# Altium PCB STM32F207VC.PcbDoc (part 11 of 16)
Units mm, origin at the board's own origin, x right, y up, seen from the top; angles counter-clockwise.
Board outline 99.19 x 99.95 mm, 2 copper layers (Top Layer, Bottom Layer); 127 components, 125 nets, 570 pads, 172 vias.
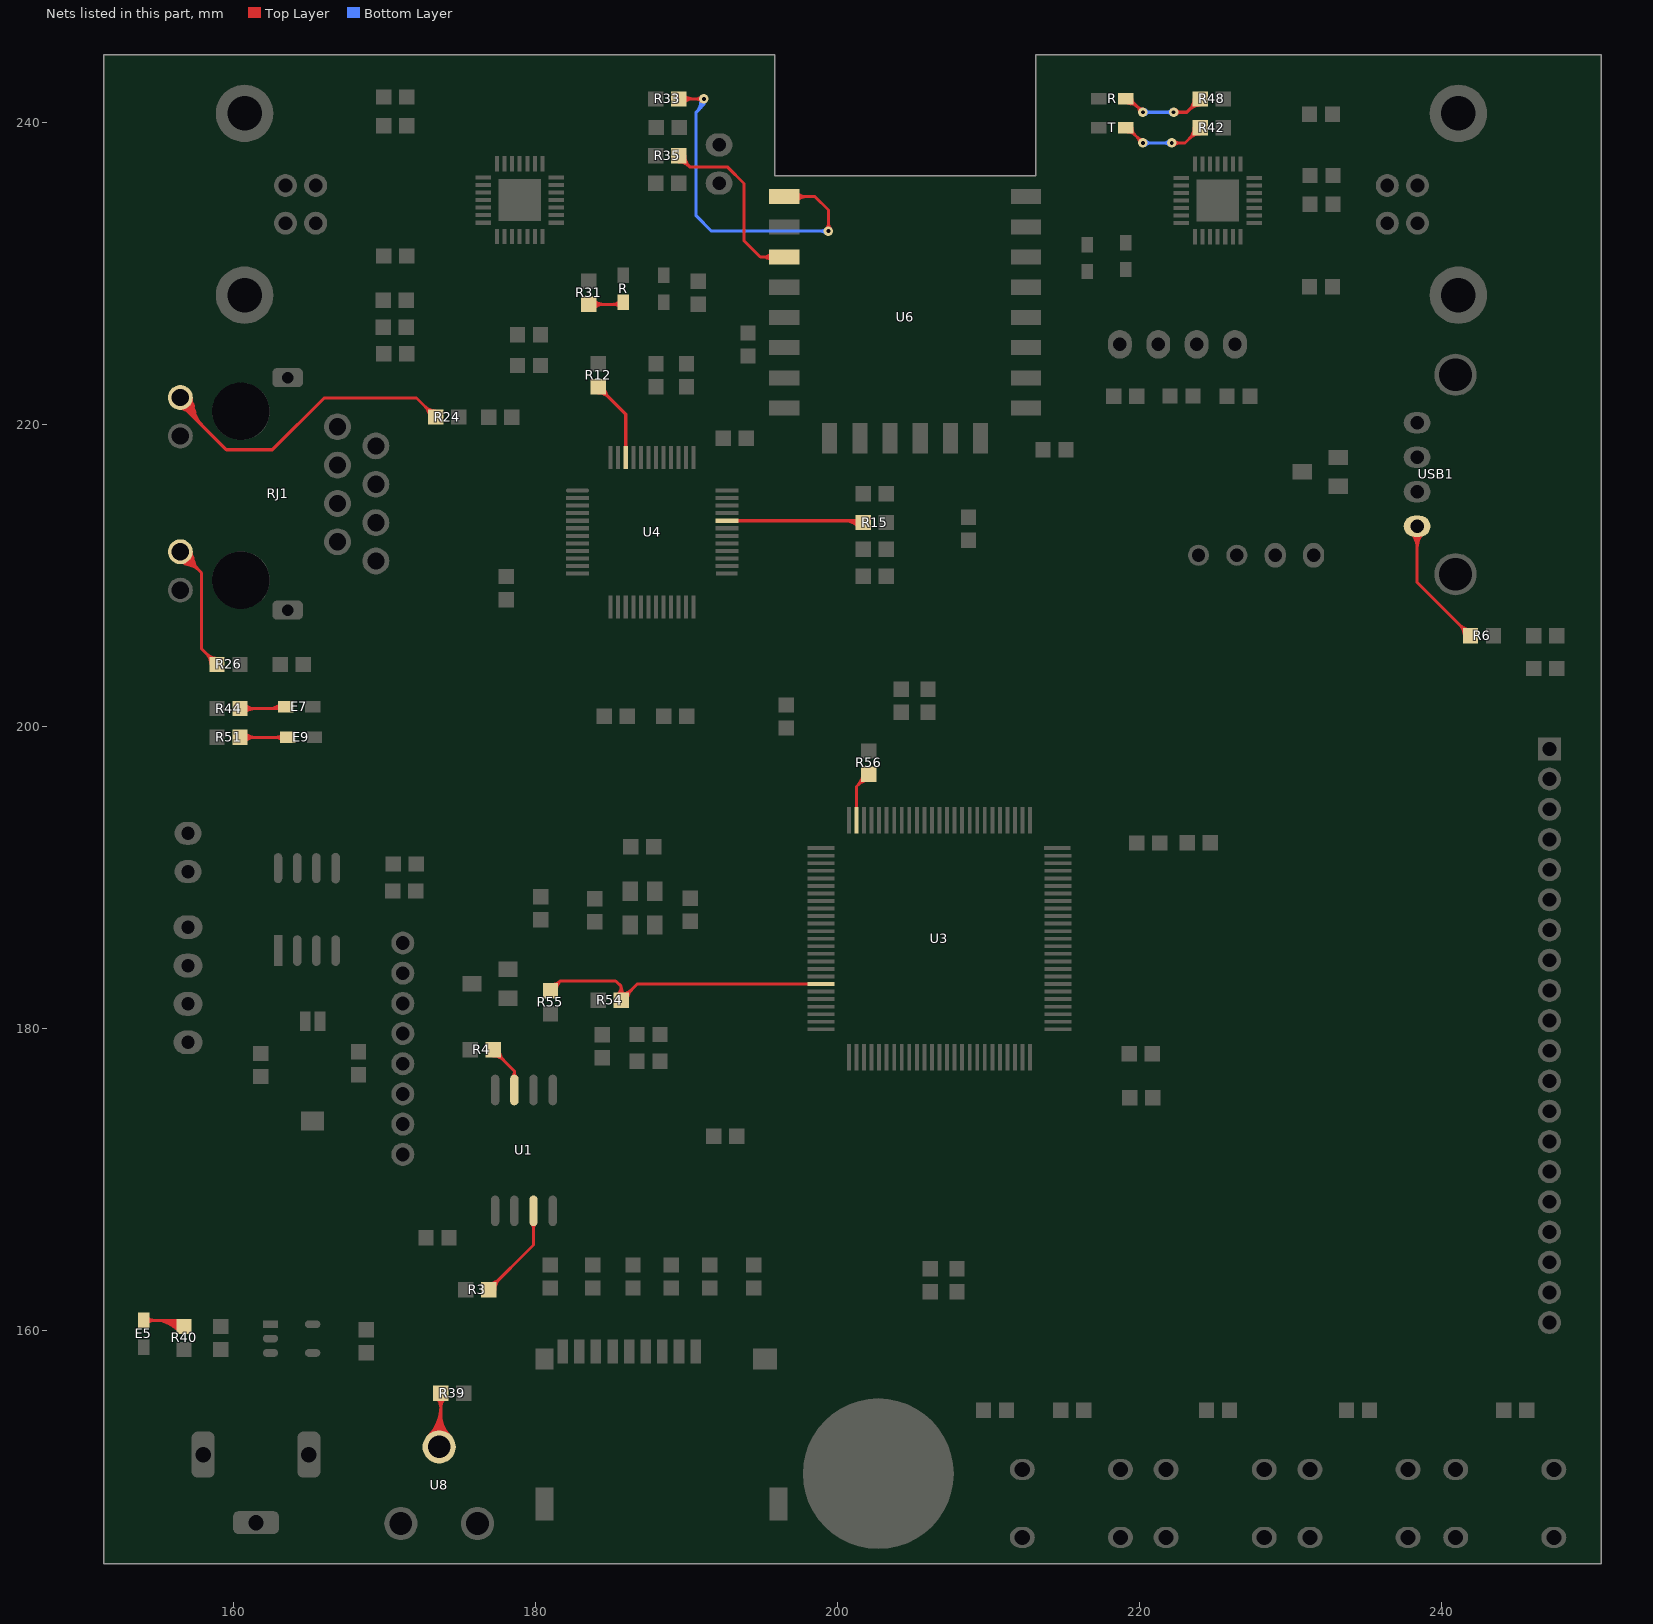
[diagram p11: the nets of this part, all layers, seen from the top]

## Via types
v1: diameter 0.635, hole 0.254, Top Layer to Bottom Layer, tented both sides, 152 vias
v2: diameter 0.635, hole 0.406, Top Layer to Bottom Layer, 18 vias
v3: diameter 1, hole 1, Top Layer to Bottom Layer, 2 vias

## Nets (pads, with @x,y where several pads share a name; then routed paths per layer and width w, separated by ;. In a path a pad name is that pad's centre, name@x,y a point inside that pad or via, vN(x,y) a via of type N, cw(c..) or ccw(c..) an arc to the next point about the centre after c; other vN are vias at no path point) (continued)
NetE4_1: R31.1 R.1@185.801,228.092 | length 12.5
  Top Layer w0.203: R31.1@183.521,227.94 R.1@185.649,227.94 ; R31.1@183.808,227.652 cw(c184.502,226.958) 184.502,227.94 ; R31.1@183.808,227.652 cw(c184.502,226.958) 184.502,227.94 ; R31.1@183.808,227.652 cw(c184.502,226.958) 184.502,227.94 ; R31.1@183.808,227.652 cw(c184.502,226.958) 184.502,227.94 ; R31.1@183.808,228.227 ccw(c184.502,228.921) 184.502,227.94 ; R31.1@183.808,228.227 ccw(c184.502,228.921) 184.502,227.94 ; R31.1@183.808,228.227 ccw(c184.502,228.921) 184.502,227.94 ; R31.1@183.808,228.227 ccw(c184.502,228.921) 184.502,227.94 ; 185.065,227.94 ccw(c185.065,228.701) R.1@185.603,228.163 ; 185.065,227.94 ccw(c185.065,228.701) R.1@185.603,228.163 ; 185.065,227.94 ccw(c185.065,228.701) R.1@185.603,228.163 ; 185.065,227.94 ccw(c185.065,228.701) R.1@185.603,228.163 ; 185.188,227.94 cw(c185.188,227.352) R.1@185.603,227.767 ; 185.188,227.94 cw(c185.188,227.352) R.1@185.603,227.767 ; 185.188,227.94 cw(c185.188,227.352) R.1@185.603,227.767 ; 185.188,227.94 cw(c185.188,227.352) R.1@185.603,227.767
NetE5_1: E5.1 R40.1 | length 51.2
  Top Layer w0.203: E5.1@154.051,160.655 156.306,160.655 R40.1@156.712,160.249 ; E5.1@154.249,160.457 cw(c154.726,159.98) 154.726,160.655 ; E5.1@154.249,160.457 cw(c154.726,159.98) 154.726,160.655 ; E5.1@154.249,160.457 cw(c154.726,159.98) 154.726,160.655 ; E5.1@154.249,160.457 cw(c154.726,159.98) 154.726,160.655 ; E5.1@154.249,160.853 ccw(c154.726,161.33) 154.726,160.655 ; E5.1@154.249,160.853 ccw(c154.726,161.33) 154.726,160.655 ; E5.1@154.249,160.853 ccw(c154.726,161.33) 154.726,160.655 ; E5.1@154.249,160.853 ccw(c154.726,161.33) 154.726,160.655 ; 154.75,160.655 cw(c154.75,158.286) R40.1@156.425,159.961 ; 154.75,160.655 cw(c154.75,158.286) R40.1@156.425,159.961 ; 154.75,160.655 cw(c154.75,158.286) R40.1@156.425,159.961 ; 154.75,160.655 cw(c154.75,158.286) R40.1@156.425,159.961 ; 155.24,160.655 cw(c155.24,158.777) R40.1@156.568,160.105 ; 155.24,160.655 cw(c155.24,158.777) R40.1@156.568,160.105 ; 155.24,160.655 cw(c155.24,158.777) R40.1@156.568,160.105 ; 155.24,160.655 cw(c155.24,158.777) R40.1@156.568,160.105 ; 155.731,160.655 cw(c155.731,159.267) R40.1@156.712,160.249 ; 155.731,160.655 cw(c155.731,159.267) R40.1@156.712,160.249 ; 155.731,160.655 cw(c155.731,159.267) R40.1@156.712,160.249 ; 155.731,160.655 cw(c155.731,159.267) R40.1@156.712,160.249 ; 155.809,160.377 ccw(c156.04,160.72) R40.1@156.379,160.482 ; 155.809,160.377 ccw(c156.04,160.72) R40.1@156.379,160.482 ; 155.809,160.377 ccw(c156.04,160.72) R40.1@156.379,160.482 ; 155.809,160.377 ccw(c156.04,160.72) R40.1@156.379,160.482 ; 155.809,160.377 ccw(c156.04,160.72) R40.1@156.379,160.482 ; 155.825,160.534 ccw(c156.117,161.04) R40.1@156.468,160.573 ; 155.825,160.534 ccw(c156.117,161.04) R40.1@156.468,160.573 ; 155.825,160.534 ccw(c156.117,161.04) R40.1@156.468,160.573 ; 155.825,160.534 ccw(c156.117,161.04) R40.1@156.468,160.573 ; 155.825,160.534 ccw(c156.117,161.04) R40.1@156.468,160.573 ; 155.825,160.534 ccw(c156.117,161.04) R40.1@156.468,160.573 ; 155.981,160.261 ccw(c156.21,160.601) R40.1@156.546,160.365 ; 155.981,160.261 ccw(c156.21,160.601) R40.1@156.546,160.365 ; 155.981,160.261 ccw(c156.21,160.601) R40.1@156.546,160.365 ; 155.981,160.261 ccw(c156.21,160.601) R40.1@156.546,160.365 ; 155.981,160.261 ccw(c156.21,160.601) R40.1@156.546,160.365 ; 156.091,160.381 ccw(c156.317,160.773) R40.1@156.59,160.411 ; 156.091,160.381 ccw(c156.317,160.773) R40.1@156.59,160.411 ; 156.091,160.381 ccw(c156.317,160.773) R40.1@156.59,160.411 ; 156.091,160.381 ccw(c156.317,160.773) R40.1@156.59,160.411 ; 156.091,160.381 ccw(c156.317,160.773) R40.1@156.59,160.411 ; 156.091,160.381 ccw(c156.317,160.773) R40.1@156.59,160.411 ; 156.09,160.608 cw(c155.874,160.234) R40.1@156.306,160.242 ; 156.09,160.608 ccw(c156.306,160.981) R40.1@156.515,160.604 ; 156.09,160.608 cw(c155.874,160.234) R40.1@156.306,160.242 ; 156.09,160.608 ccw(c156.306,160.981) R40.1@156.515,160.604 ; 156.09,160.608 cw(c155.874,160.234) R40.1@156.306,160.242 ; 156.09,160.608 ccw(c156.306,160.981) R40.1@156.515,160.604 ; 156.09,160.608 ccw(c156.306,160.981) R40.1@156.515,160.604 ; 156.09,160.608 cw(c155.874,160.234) R40.1@156.306,160.242 ; 156.09,160.608 ccw(c156.306,160.981) R40.1@156.515,160.604 ; 156.09,160.608 cw(c155.874,160.234) R40.1@156.306,160.242 ; 156.09,160.608 ccw(c156.306,160.981) R40.1@156.515,160.604 ; 156.09,160.608 cw(c155.874,160.234) R40.1@156.306,160.242 ; 156.152,160.145 ccw(c156.379,160.482) R40.1@156.712,160.249 ; 156.152,160.145 ccw(c156.379,160.482) R40.1@156.712,160.249 ; 156.152,160.145 ccw(c156.379,160.482) R40.1@156.712,160.249 ; 156.152,160.145 ccw(c156.379,160.482) R40.1@156.712,160.249 ; 156.152,160.145 ccw(c156.379,160.482) R40.1@156.712,160.249 ; 156.175,160.332 cw(c156.019,160.063) R40.1@156.32,160.143 ; 156.175,160.332 cw(c156.019,160.063) R40.1@156.32,160.143 ; 156.175,160.332 cw(c156.019,160.063) R40.1@156.32,160.143 ; 156.175,160.332 cw(c156.019,160.063) R40.1@156.32,160.143 ; 156.175,160.332 cw(c156.019,160.063) R40.1@156.32,160.143 ; 156.175,160.332 cw(c156.019,160.063) R40.1@156.32,160.143 ; R40.1@156.221,160.655 cw(c156.221,159.758) R40.1@156.856,160.392 ; R40.1@156.221,160.655 cw(c156.221,159.758) R40.1@156.856,160.392 ; R40.1@156.221,160.655 cw(c156.221,159.758) R40.1@156.856,160.392 ; R40.1@156.221,160.655 cw(c156.221,159.758) R40.1@156.856,160.392
NetE6_1: R42.1 T.1@219.075,239.649 | length 43.9
  Top Layer w0.203: T.1@219.075,239.649 219.202,239.649 v1(220.218,238.633) ; v1(222.123,238.633) 223.001,238.633 R42.1@224.011,239.643 ; T.1@219.202,239.37 cw(c219.202,238.695) 219.679,239.172 ; T.1@219.202,239.37 cw(c219.202,238.695) 219.679,239.172 ; T.1@219.202,239.37 cw(c219.202,238.695) 219.679,239.172 ; T.1@219.202,239.37 cw(c219.202,238.695) 219.679,239.172 ; T.1@219.481,239.649 ccw(c220.156,239.649) 219.679,239.172 ; T.1@219.481,239.649 ccw(c220.156,239.649) 219.679,239.172 ; T.1@219.481,239.649 ccw(c220.156,239.649) 219.679,239.172 ; T.1@219.481,239.649 ccw(c220.156,239.649) 219.679,239.172 ; 219.849,239.002 cw(c219.481,238.633) v1@220.002,238.633 ; 219.849,239.002 ccw(c220.218,239.37) v1@220.218,238.849 ; 219.849,239.002 cw(c219.481,238.633) v1@220.002,238.633 ; 219.849,239.002 ccw(c220.218,239.37) v1@220.218,238.849 ; 219.849,239.002 ccw(c220.218,239.37) v1@220.218,238.849 ; 219.849,239.002 cw(c219.481,238.633) v1@220.002,238.633 ; 219.849,239.002 ccw(c220.218,239.37) v1@220.218,238.849 ; 219.849,239.002 cw(c219.481,238.633) v1@220.002,238.633 ; 219.924,238.925 ccw(c220.298,239.025) v1@220.221,238.645 ; 219.924,238.925 ccw(c220.298,239.025) v1@220.221,238.645 ; 219.924,238.925 ccw(c220.298,239.025) v1@220.221,238.645 ; 219.924,238.925 ccw(c220.298,239.025) v1@220.221,238.645 ; 219.924,238.925 ccw(c220.298,239.025) v1@220.221,238.645 ; 219.924,238.925 ccw(c220.298,239.025) v1@220.221,238.645 ; 219.926,238.927 cw(c219.826,238.553) v1@220.206,238.63 ; 219.926,238.927 cw(c219.826,238.553) v1@220.206,238.63 ; 219.926,238.927 cw(c219.826,238.553) v1@220.206,238.63 ; 219.926,238.927 cw(c219.826,238.553) v1@220.206,238.63 ; 219.926,238.927 cw(c219.826,238.553) v1@220.206,238.63 ; 219.926,238.927 cw(c219.826,238.553) v1@220.206,238.63 ; v1@222.276,238.48 cw(c222.644,238.112) 222.644,238.633 ; v1@222.276,238.48 cw(c222.644,238.112) 222.644,238.633 ; v1@222.276,238.48 cw(c222.644,238.112) 222.644,238.633 ; v1@222.276,238.48 cw(c222.644,238.112) 222.644,238.633 ; v1@222.276,238.786 ccw(c222.644,239.154) 222.644,238.633 ; v1@222.276,238.786 ccw(c222.644,239.154) 222.644,238.633 ; v1@222.276,238.786 ccw(c222.644,239.154) 222.644,238.633 ; v1@222.276,238.786 ccw(c222.644,239.154) 222.644,238.633 ; 223.317,238.949 cw(c224.011,238.256) R42.1@224.011,239.237 ; 223.317,238.949 ccw(c222.623,239.643) R42.1@223.604,239.643 ; 223.317,238.949 cw(c224.011,238.256) R42.1@224.011,239.237 ; 223.317,238.949 ccw(c222.623,239.643) R42.1@223.604,239.643 ; 223.317,238.949 ccw(c222.623,239.643) R42.1@223.604,239.643 ; 223.317,238.949 cw(c224.011,238.256) R42.1@224.011,239.237 ; 223.317,238.949 ccw(c222.623,239.643) R42.1@223.604,239.643 ; 223.317,238.949 cw(c224.011,238.256) R42.1@224.011,239.237 ; 223.467,239.131 cw(c224.153,238.947) R42.1@224.011,239.643 ; 223.467,239.131 cw(c224.153,238.947) R42.1@224.011,239.643 ; 223.467,239.131 cw(c224.153,238.947) R42.1@224.011,239.643 ; 223.467,239.131 cw(c224.153,238.947) R42.1@224.011,239.643 ; 223.467,239.131 cw(c224.153,238.947) R42.1@224.011,239.643 ; 223.467,239.131 cw(c224.153,238.947) R42.1@224.011,239.643 ; 223.499,239.099 ccw(c223.315,239.786) R42.1@224.011,239.643 ; 223.499,239.099 ccw(c223.315,239.786) R42.1@224.011,239.643 ; 223.499,239.099 ccw(c223.315,239.786) R42.1@224.011,239.643 ; 223.499,239.099 ccw(c223.315,239.786) R42.1@224.011,239.643 ; 223.499,239.099 ccw(c223.315,239.786) R42.1@224.011,239.643 ; 223.499,239.099 ccw(c223.315,239.786) R42.1@224.011,239.643
  Bottom Layer w0.203: v1(220.218,238.633) v1(222.123,238.633) ; v1@220.371,238.48 cw(c220.739,238.112) 220.739,238.633 ; v1@220.371,238.48 cw(c220.739,238.112) 220.739,238.633 ; v1@220.371,238.48 cw(c220.739,238.112) 220.739,238.633 ; v1@220.371,238.48 cw(c220.739,238.112) 220.739,238.633 ; v1@220.371,238.786 ccw(c220.739,239.154) 220.739,238.633 ; v1@220.371,238.786 ccw(c220.739,239.154) 220.739,238.633 ; v1@220.371,238.786 ccw(c220.739,239.154) 220.739,238.633 ; v1@220.371,238.786 ccw(c220.739,239.154) 220.739,238.633 ; 221.602,238.633 cw(c221.602,238.112) v1@221.97,238.48 ; 221.602,238.633 ccw(c221.602,239.154) v1@221.97,238.786 ; 221.602,238.633 cw(c221.602,238.112) v1@221.97,238.48 ; 221.602,238.633 ccw(c221.602,239.154) v1@221.97,238.786 ; 221.602,238.633 ccw(c221.602,239.154) v1@221.97,238.786 ; 221.602,238.633 cw(c221.602,238.112) v1@221.97,238.48 ; 221.602,238.633 ccw(c221.602,239.154) v1@221.97,238.786 ; 221.602,238.633 cw(c221.602,238.112) v1@221.97,238.48
NetE7_1: E7.1 R44.1 | length 15.2
  Top Layer w0.203: R44.1@160.418,201.174 E7.1@163.328,201.174 ; R44.1@160.706,200.887 cw(c161.4,200.193) 161.4,201.174 ; R44.1@160.706,200.887 cw(c161.4,200.193) 161.4,201.174 ; R44.1@160.706,200.887 cw(c161.4,200.193) 161.4,201.174 ; R44.1@160.706,200.887 cw(c161.4,200.193) 161.4,201.174 ; R44.1@160.706,201.461 ccw(c161.4,202.155) 161.4,201.174 ; R44.1@160.706,201.461 ccw(c161.4,202.155) 161.4,201.174 ; R44.1@160.706,201.461 ccw(c161.4,202.155) 161.4,201.174 ; R44.1@160.706,201.461 ccw(c161.4,202.155) 161.4,201.174 ; 162.355,201.174 ccw(c162.355,202.262) E7.1@163.124,201.493 ; 162.355,201.174 ccw(c162.355,202.262) E7.1@163.124,201.493 ; 162.355,201.174 ccw(c162.355,202.262) E7.1@163.124,201.493 ; 162.355,201.174 ccw(c162.355,202.262) E7.1@163.124,201.493 ; 162.846,201.174 ccw(c162.846,201.771) E7.1@163.268,201.349 ; 162.846,201.174 ccw(c162.846,201.771) E7.1@163.268,201.349 ; 162.846,201.174 ccw(c162.846,201.771) E7.1@163.268,201.349 ; 162.846,201.174 ccw(c162.846,201.771) E7.1@163.268,201.349 ; 162.94,201.174 cw(c162.94,200.913) E7.1@163.124,201.097 ; 162.94,201.174 cw(c162.94,200.913) E7.1@163.124,201.097 ; 162.94,201.174 cw(c162.94,200.913) E7.1@163.124,201.097 ; 162.94,201.174 cw(c162.94,200.913) E7.1@163.124,201.097
NetE8_1: R48.1 R.1@219.075,241.554 | length 52.2
  Top Layer w0.203: R.1@219.075,241.554 219.329,241.554 v1(220.218,240.665) ; v1(222.25,240.665) 223.128,240.665 R48.1@224.011,241.548 ; R.1@219.082,241.511 ccw(c219.514,241.665) R.1@219.395,241.223 ; R.1@219.082,241.511 ccw(c219.514,241.665) R.1@219.395,241.223 ; R.1@219.082,241.511 ccw(c219.514,241.665) R.1@219.395,241.223 ; R.1@219.082,241.511 ccw(c219.514,241.665) R.1@219.395,241.223 ; R.1@219.082,241.511 ccw(c219.514,241.665) R.1@219.395,241.223 ; R.1@219.082,241.511 ccw(c219.514,241.665) R.1@219.395,241.223 ; R.1@219.202,241.275 cw(c219.202,240.293) 219.896,240.987 ; R.1@219.202,241.275 cw(c219.202,240.293) 219.896,240.987 ; R.1@219.202,241.275 cw(c219.202,240.293) 219.896,240.987 ; R.1@219.202,241.275 cw(c219.202,240.293) 219.896,240.987 ; R.1@219.202,241.478 cw(c219.202,240.987) R.1@219.549,241.334 ; R.1@219.202,241.478 cw(c219.202,240.987) R.1@219.549,241.334 ; R.1@219.202,241.478 cw(c219.202,240.987) R.1@219.549,241.334 ; R.1@219.202,241.478 cw(c219.202,240.987) R.1@219.549,241.334 ; R.1@219.274,241.58 ccw(c219.958,241.824) 219.77,241.122 ; R.1@219.274,241.58 ccw(c219.958,241.824) 219.77,241.122 ; R.1@219.274,241.58 ccw(c219.958,241.824) 219.77,241.122 ; R.1@219.274,241.58 ccw(c219.958,241.824) 219.77,241.122 ; R.1@219.274,241.58 ccw(c219.958,241.824) 219.77,241.122 ; R.1@219.274,241.58 ccw(c219.958,241.824) 219.77,241.122 ; R.1@219.481,241.554 ccw(c219.849,241.554) 219.589,241.294 ; R.1@219.481,241.554 ccw(c219.849,241.554) 219.589,241.294 ; R.1@219.481,241.554 ccw(c219.849,241.554) 219.589,241.294 ; R.1@219.481,241.554 ccw(c219.849,241.554) 219.589,241.294 ; 219.849,241.034 cw(c219.481,240.665) v1@220.002,240.665 ; 219.849,241.034 ccw(c220.218,241.402) v1@220.218,240.881 ; 219.849,241.034 cw(c219.481,240.665) v1@220.002,240.665 ; 219.849,241.034 ccw(c220.218,241.402) v1@220.218,240.881 ; 219.849,241.034 ccw(c220.218,241.402) v1@220.218,240.881 ; 219.849,241.034 cw(c219.481,240.665) v1@220.002,240.665 ; 219.849,241.034 ccw(c220.218,241.402) v1@220.218,240.881 ; 219.849,241.034 cw(c219.481,240.665) v1@220.002,240.665 ; 219.924,240.957 ccw(c220.298,241.057) v1@220.221,240.677 ; 219.924,240.957 ccw(c220.298,241.057) v1@220.221,240.677 ; 219.924,240.957 ccw(c220.298,241.057) v1@220.221,240.677 ; 219.924,240.957 ccw(c220.298,241.057) v1@220.221,240.677 ; 219.924,240.957 ccw(c220.298,241.057) v1@220.221,240.677 ; 219.924,240.957 ccw(c220.298,241.057) v1@220.221,240.677 ; 219.926,240.959 cw(c219.826,240.585) v1@220.206,240.662 ; 219.926,240.959 cw(c219.826,240.585) v1@220.206,240.662 ; 219.926,240.959 cw(c219.826,240.585) v1@220.206,240.662 ; 219.926,240.959 cw(c219.826,240.585) v1@220.206,240.662 ; 219.926,240.959 cw(c219.826,240.585) v1@220.206,240.662 ; 219.926,240.959 cw(c219.826,240.585) v1@220.206,240.662 ; v1@222.403,240.512 cw(c222.771,240.144) 222.771,240.665 ; v1@222.403,240.512 cw(c222.771,240.144) 222.771,240.665 ; v1@222.403,240.512 cw(c222.771,240.144) 222.771,240.665 ; v1@222.403,240.512 cw(c222.771,240.144) 222.771,240.665 ; v1@222.403,240.818 ccw(c222.771,241.186) 222.771,240.665 ; v1@222.403,240.818 ccw(c222.771,241.186) 222.771,240.665 ; v1@222.403,240.818 ccw(c222.771,241.186) 222.771,240.665 ; v1@222.403,240.818 ccw(c222.771,241.186) 222.771,240.665 ; 223.317,240.854 cw(c224.011,240.161) R48.1@224.011,241.142 ; 223.317,240.854 ccw(c222.623,241.548) R48.1@223.604,241.548 ; 223.317,240.854 cw(c224.011,240.161) R48.1@224.011,241.142 ; 223.317,240.854 ccw(c222.623,241.548) R48.1@223.604,241.548 ; 223.317,240.854 ccw(c222.623,241.548) R48.1@223.604,241.548 ; 223.317,240.854 cw(c224.011,240.161) R48.1@224.011,241.142 ; 223.317,240.854 ccw(c222.623,241.548) R48.1@223.604,241.548 ; 223.317,240.854 cw(c224.011,240.161) R48.1@224.011,241.142 ; 223.467,241.036 cw(c224.153,240.852) R48.1@224.011,241.548 ; 223.467,241.036 cw(c224.153,240.852) R48.1@224.011,241.548 ; 223.467,241.036 cw(c224.153,240.852) R48.1@224.011,241.548 ; 223.467,241.036 cw(c224.153,240.852) R48.1@224.011,241.548 ; 223.467,241.036 cw(c224.153,240.852) R48.1@224.011,241.548 ; 223.467,241.036 cw(c224.153,240.852) R48.1@224.011,241.548 ; 223.499,241.004 ccw(c223.315,241.691) R48.1@224.011,241.548 ; 223.499,241.004 ccw(c223.315,241.691) R48.1@224.011,241.548 ; 223.499,241.004 ccw(c223.315,241.691) R48.1@224.011,241.548 ; 223.499,241.004 ccw(c223.315,241.691) R48.1@224.011,241.548 ; 223.499,241.004 ccw(c223.315,241.691) R48.1@224.011,241.548 ; 223.499,241.004 ccw(c223.315,241.691) R48.1@224.011,241.548
  Bottom Layer w0.203: v1(220.218,240.665) v1(222.25,240.665) ; v1@220.371,240.512 cw(c220.739,240.144) 220.739,240.665 ; v1@220.371,240.512 cw(c220.739,240.144) 220.739,240.665 ; v1@220.371,240.512 cw(c220.739,240.144) 220.739,240.665 ; v1@220.371,240.512 cw(c220.739,240.144) 220.739,240.665 ; v1@220.371,240.818 ccw(c220.739,241.186) 220.739,240.665 ; v1@220.371,240.818 ccw(c220.739,241.186) 220.739,240.665 ; v1@220.371,240.818 ccw(c220.739,241.186) 220.739,240.665 ; v1@220.371,240.818 ccw(c220.739,241.186) 220.739,240.665 ; 221.729,240.665 cw(c221.729,240.144) v1@222.097,240.512 ; 221.729,240.665 ccw(c221.729,241.186) v1@222.097,240.818 ; 221.729,240.665 cw(c221.729,240.144) v1@222.097,240.512 ; 221.729,240.665 ccw(c221.729,241.186) v1@222.097,240.818 ; 221.729,240.665 ccw(c221.729,241.186) v1@222.097,240.818 ; 221.729,240.665 cw(c221.729,240.144) v1@222.097,240.512 ; 221.729,240.665 ccw(c221.729,241.186) v1@222.097,240.818 ; 221.729,240.665 cw(c221.729,240.144) v1@222.097,240.512
NetE9_1: E9.1 R51.1 | length 13.6
  Top Layer w0.203: R51.1@160.418,199.269 E9.1@163.57,199.269 ; R51.1@160.706,198.982 cw(c161.4,198.288) 161.4,199.269 ; R51.1@160.706,198.982 cw(c161.4,198.288) 161.4,199.269 ; R51.1@160.706,198.982 cw(c161.4,198.288) 161.4,199.269 ; R51.1@160.706,198.982 cw(c161.4,198.288) 161.4,199.269 ; R51.1@160.706,199.556 ccw(c161.4,200.25) 161.4,199.269 ; R51.1@160.706,199.556 ccw(c161.4,200.25) 161.4,199.269 ; R51.1@160.706,199.556 ccw(c161.4,200.25) 161.4,199.269 ; R51.1@160.706,199.556 ccw(c161.4,200.25) 161.4,199.269 ; 162.76,199.269 cw(c162.76,198.574) E9.1@163.251,199.065 ; 162.76,199.269 cw(c162.76,198.574) E9.1@163.251,199.065 ; 162.76,199.269 cw(c162.76,198.574) E9.1@163.251,199.065 ; 162.76,199.269 cw(c162.76,198.574) E9.1@163.251,199.065 ; 162.789,199.269 ccw(c162.789,199.923) E9.1@163.251,199.461 ; 162.789,199.269 ccw(c162.789,199.923) E9.1@163.251,199.461 ; 162.789,199.269 ccw(c162.789,199.923) E9.1@163.251,199.461 ; 162.789,199.269 ccw(c162.789,199.923) E9.1@163.251,199.461
NetR3_2: R3.2 U1.3 | length 24.8
  Top Layer w0.203: U1.3@179.856,167.908 179.856,165.643 R3.2@176.894,162.681 ; R3.2@176.894,162.681 cw(c177.589,162.539) 177.406,163.225 ; R3.2@176.894,162.681 ccw(c176.751,163.377) 177.437,163.193 ; R3.2@176.894,162.681 ccw(c176.751,163.377) 177.437,163.193 ; R3.2@176.894,162.681 cw(c177.589,162.539) 177.406,163.225 ; R3.2@176.894,162.681 ccw(c176.751,163.377) 177.437,163.193 ; R3.2@176.894,162.681 cw(c177.589,162.539) 177.406,163.225 ; R3.2@176.894,162.681 cw(c177.589,162.539) 177.406,163.225 ; R3.2@176.894,162.681 ccw(c176.751,163.377) 177.437,163.193 ; R3.2@176.894,162.681 cw(c177.589,162.539) 177.406,163.225 ; R3.2@176.894,162.681 ccw(c176.751,163.377) 177.437,163.193 ; R3.2@176.894,162.681 ccw(c176.751,163.377) 177.437,163.193 ; R3.2@176.894,162.681 cw(c177.589,162.539) 177.406,163.225 ; R3.2@176.894,163.087 ccw(c176.894,164.069) 177.587,163.375 ; R3.2@176.894,163.087 ccw(c176.894,164.069) 177.587,163.375 ; R3.2@176.894,163.087 ccw(c176.894,164.069) 177.587,163.375 ; R3.2@176.894,163.087 ccw(c176.894,164.069) 177.587,163.375 ; R3.2@177.3,162.681 cw(c178.281,162.681) 177.587,163.375 ; R3.2@177.3,162.681 cw(c178.281,162.681) 177.587,163.375 ; R3.2@177.3,162.681 cw(c178.281,162.681) 177.587,163.375 ; R3.2@177.3,162.681 cw(c178.281,162.681) 177.587,163.375 ; U1.3@179.73,167.046 cw(c179.427,166.742) 179.856,166.742 ; U1.3@179.73,167.046 cw(c179.427,166.742) 179.856,166.742 ; U1.3@179.73,167.046 cw(c179.427,166.742) 179.856,166.742 ; U1.3@179.73,167.046 cw(c179.427,166.742) 179.856,166.742 ; 179.856,166.742 cw(c180.285,166.742) U1.3@179.982,167.046 ; 179.856,166.742 cw(c180.285,166.742) U1.3@179.982,167.046 ; 179.856,166.742 cw(c180.285,166.742) U1.3@179.982,167.046 ; 179.856,166.742 cw(c180.285,166.742) U1.3@179.982,167.046
NetR4_1: R4.1 U1.7 | length 21.5
  Top Layer w0.203: U1.7@178.586,175.909 178.586,177.164 R4.1@177.182,178.568 ; R4.1@177.182,178.162 cw(c177.182,177.18) 177.876,177.874 ; R4.1@177.182,178.162 cw(c177.182,177.18) 177.876,177.874 ; R4.1@177.182,178.162 cw(c177.182,177.18) 177.876,177.874 ; R4.1@177.182,178.162 cw(c177.182,177.18) 177.876,177.874 ; R4.1@177.182,178.568 cw(c177.04,177.872) 177.726,178.056 ; R4.1@177.182,178.568 ccw(c177.878,178.71) 177.694,178.024 ; R4.1@177.182,178.568 ccw(c177.878,178.71) 177.694,178.024 ; R4.1@177.182,178.568 cw(c177.04,177.872) 177.726,178.056 ; R4.1@177.182,178.568 ccw(c177.878,178.71) 177.694,178.024 ; R4.1@177.182,178.568 cw(c177.04,177.872) 177.726,178.056 ; R4.1@177.182,178.568 cw(c177.04,177.872) 177.726,178.056 ; R4.1@177.182,178.568 ccw(c177.878,178.71) 177.694,178.024 ; R4.1@177.182,178.568 cw(c177.04,177.872) 177.726,178.056 ; R4.1@177.182,178.568 ccw(c177.878,178.71) 177.694,178.024 ; R4.1@177.182,178.568 ccw(c177.878,178.71) 177.694,178.024 ; R4.1@177.182,178.568 cw(c177.04,177.872) 177.726,178.056 ; R4.1@177.589,178.568 ccw(c178.57,178.568) 177.876,177.874 ; R4.1@177.589,178.568 ccw(c178.57,178.568) 177.876,177.874 ; R4.1@177.589,178.568 ccw(c178.57,178.568) 177.876,177.874 ; R4.1@177.589,178.568 ccw(c178.57,178.568) 177.876,177.874 ; U1.7@178.46,176.772 ccw(c178.157,177.075) 178.586,177.075 ; U1.7@178.46,176.772 ccw(c178.157,177.075) 178.586,177.075 ; U1.7@178.46,176.772 ccw(c178.157,177.075) 178.586,177.075 ; U1.7@178.46,176.772 ccw(c178.157,177.075) 178.586,177.075 ; 178.586,177.075 ccw(c179.015,177.075) U1.7@178.712,176.772 ; 178.586,177.075 ccw(c179.015,177.075) U1.7@178.712,176.772 ; 178.586,177.075 ccw(c179.015,177.075) U1.7@178.712,176.772 ; 178.586,177.075 ccw(c179.015,177.075) U1.7@178.712,176.772